# Altium PCB Stand.PcbDoc (part 3 of 3)
Units mm, origin at the board's own origin, x right, y up, seen from the top; angles counter-clockwise.
Board outline 102 x 143 mm, 2 copper layers (Top Layer, Bottom Layer), stack 1.571 mm thick; 426 components, 267 nets, 1118 pads, 182 vias.
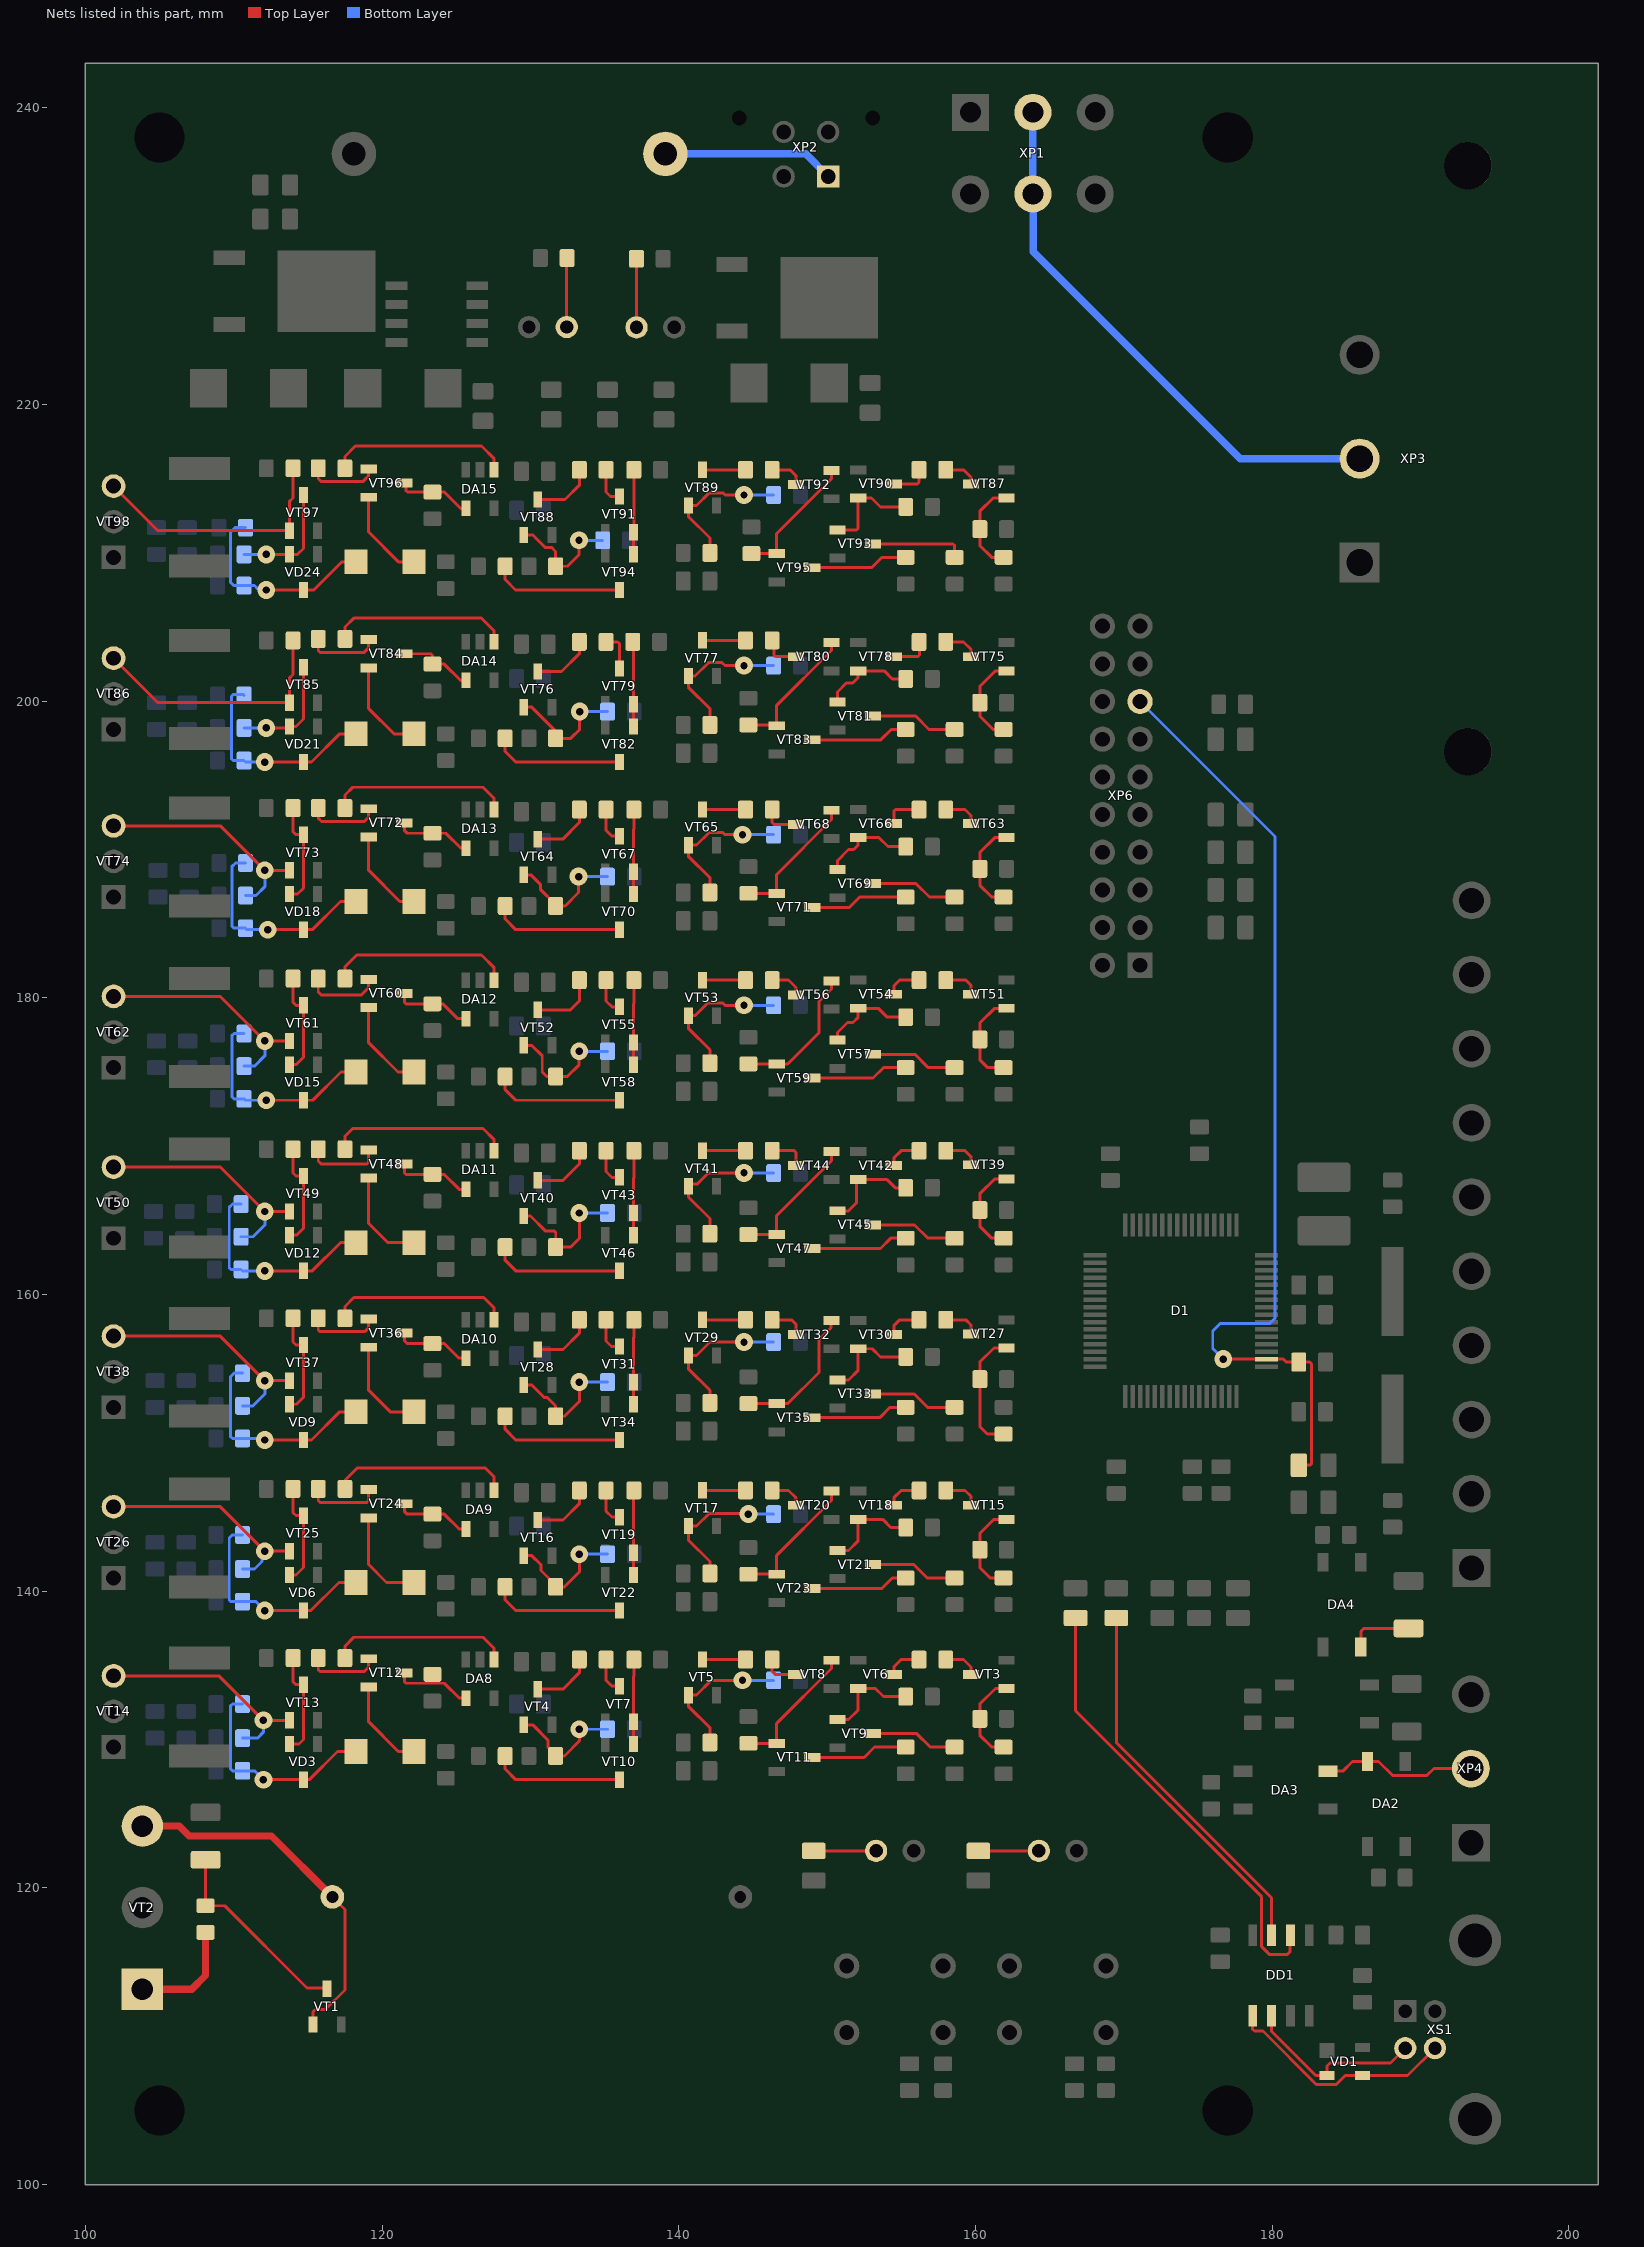
[diagram p3: the nets of this part, all layers, seen from the top]

## Via types
v1: diameter 1.2, hole 0.5, Top Layer to Bottom Layer, tented top, 93 vias
v2: diameter 1.2, hole 0.5, Top Layer to Bottom Layer, tented both sides, 89 vias

## Nets (pads, with @x,y where several pads share a name; then routed paths per layer and width w, separated by ;. In a path a pad name is that pad's centre, name@x,y a point inside that pad or via, vN(x,y) a via of type N, cw(c..) or ccw(c..) an arc to the next point about the centre after c; other vN are vias at no path point) (continued)
NetDA4_2: DA4.2 R4.2 | length 4.4
  Top Layer w0.2: DA4.2@185.97,136.24 186,136.27 186,137.3 186.2,137.5 R4.2@189.2,137.5
NetDA8_1: DA8.1 R44.1 | length 12.2
  Top Layer w0.2: R44.1@117.5,135.5 117.5,136.3 118.1,136.9 126.8,136.9 127.56,136.14 DA8.1@127.56,135.4
NetDA8_4: DA8.4 R45.2 VT12.3 | length 5.2
  Top Layer w0.2: VT12.3@121.5,134.5 121.5,133.917 121.617,133.8 123.4,133.8 124.2,133.8 125.2,132.8 DA8.4@125.65,132.8
NetDA9_1: DA9.1 R66.1 | length 12.1
  Top Layer w0.2: R66.1@117.5,146.9 117.5,147.483 118.317,148.3 126.968,148.3 127.56,147.708 DA9.1@127.56,146.8
NetDA9_4: DA9.4 R67.2 VT24.3 | length 5.1
  Top Layer w0.2: VT24.3@121.5,145.9 121.5,145.4 121.7,145.2 R67.2@123.4,145.2 124.2,145.2 125.2,144.2 DA9.4@125.65,144.2
NetDA10_1: DA10.1 R88.1 | length 12.2
  Top Layer w0.2: R88.1@117.5,158.4 117.5,159.2 118.1,159.8 126.85,159.8 127.56,159.09 DA10.1@127.56,158.3
NetDA10_4: DA10.4 R89.2 VT36.3 | length 5.1
  Top Layer w0.2: VT36.3@121.5,157.4 121.5,156.9 121.7,156.7 R89.2@123.4,156.7 124.2,156.7 125.167,155.733 DA10.4@125.65,155.733
NetDA11_1: DA11.1 R110.1 | length 12.2
  Top Layer w0.2: R110.1@117.5,169.8 117.5,170.675 118.025,171.2 126.8,171.2 127.56,170.44 DA11.1@127.56,169.7
NetDA11_4: DA11.4 R111.2 VT48.3 | length 5.2
  Top Layer w0.2: VT48.3@121.5,168.8 121.5,168.217 121.617,168.1 R111.2@123.4,168.1 124.2,168.1 125.2,167.1 DA11.4@125.65,167.1
NetDA12_1: DA12.1 R132.1 | length 12.4
  Top Layer w0.2: R132.1@117.5,181.3 117.5,182.1 118.3,182.9 126.7,182.9 127.56,182.04 DA12.1@127.56,181.2
NetDA12_4: DA12.4 R133.2 VT60.3 | length 5.2
  Top Layer w0.2: VT60.3@121.5,180.3 121.5,179.717 121.617,179.6 R133.2@123.4,179.6 124.1,179.6 125.1,178.6 DA12.4@125.65,178.6
NetDA13_1: DA13.1 R154.1 | length 12.2
  Top Layer w0.2: R154.1@117.5,192.8 117.5,193.675 118.025,194.2 126.8,194.2 127.56,193.44 DA13.1@127.56,192.7
NetDA13_4: DA13.4 R155.2 VT72.3 | length 5.1
  Top Layer w0.2: VT72.3@121.5,191.8 121.5,191.3 121.7,191.1 R155.2@123.4,191.1 124.3,191.1 125.3,190.1 DA13.4@125.65,190.1
NetDA14_1: DA14.1 R176.1 | length 12.2
  Top Layer w0.2: R176.1@117.5,204.2 117.5,205 118.1,205.6 126.7,205.6 127.56,204.74 DA14.1@127.56,204
NetDA14_4: DA14.4 R177.2 VT84.3 | length 5.2
  Top Layer w0.2: VT84.3@121.5,203.2 123.283,203.2 123.4,203.083 R177.2@123.4,202.5 124.2,202.5 125.3,201.4 DA14.4@125.65,201.4
NetDA15_1: DA15.1 R198.1 | length 12.2
  Top Layer w0.2: R198.1@117.5,215.7 117.5,216.5 118.2,217.2 126.7,217.2 127.56,216.34 DA15.1@127.56,215.6
NetDA15_4: DA15.4 R199.2 VT96.3 | length 5.1
  Top Layer w0.2: VT96.3@121.5,214.7 121.6,214.6 121.6,214.217 121.717,214.1 124.2,214.1 125.3,213 DA15.4@125.65,213
NetDD1_1: DD1.1 VD1.3 XS1.3 | length 15.7
  Top Layer w0.2: DD1.1@178.695,111.375 178.695,110.467 178.812,110.35 179.384,110.35 182.984,106.75 184.324,106.75 184.924,107.35 VD1.3@186.1,107.35 189.13,107.35 XS1.3@190.98,109.2
NetDD1_2: DD1.2 VD1.2 XS1.2 | length 12.4
  Top Layer w0.2: DD1.2@179.965,111.375 179.965,110.335 182.95,107.35 VD1.2@183.7,107.35 183.7,108 183.9,108.2 187.98,108.2 XS1.2@188.98,109.2
NetFU1_1: FU1.1 XP2.1@150.075,235.375 | length 11.6
  Bottom Layer w0.5: FU1.1@139.1,236.9 148.55,236.9 XP2.1@150.075,235.375
NetHL1_1: HL1.1 R10.2 | length 4.7
  Top Layer w0.2: HL1.1@132.45,225.225 132.45,229.85 R10.2@132.475,229.875
NetHL2_1: HL2.1 R11.2 | length 4.6
  Top Layer w0.2: R11.2@137.15,229.825 137.155,229.82 HL2.1@137.155,225.2
NetHL3_1: HL3.1 R24.2 | length 4.2
  Top Layer w0.2: R24.2@149.1,122.5 HL3.1@153.305,122.5
NetHL4_1: HL4.1 R27.2 | length 4.1
  Top Layer w0.2: R27.2@160.2,122.5 HL4.1@164.28,122.5
NetR7_1: R7.1 R8.1 VT1.3 | length 13.6
  Top Layer w0.2: R7.1@108.1,121.9 R8.1@108.1,118.8 109.4,118.8 114.95,113.25 116.25,113.25 VT1.3@116.3,113.2
NetR8_2: R8.2 VT2.1 | length 7.5
  Top Layer w0.5: VT2.1@103.85,113.175 107.175,113.175 108.1,114.1 R8.2@108.1,117
NetR9_2: R9.2 VT1.1 VT2.3 | length 25
  Top Layer w0.2: VT1.1@115.35,110.8 115.35,111.65 115.5,111.8 116.174,111.8 117.5,113.126 117.5,118.55 R9.2@116.65,119.4
  Top Layer w0.5: VT2.3@103.85,124.175 106.325,124.175 107,123.5 112.55,123.5 R9.2@116.65,119.4
NetR28_2: R28.2 R31.2 VT3.1 | length 6.3
  Top Layer w0.2: R31.2@161.9,129.5 161.1,129.5 160.3,130.3 R28.2@160.3,131.4 160.3,132.3 160.3,132.4 161.35,133.45 VT3.1@162.1,133.45
NetR29_2: R29.2 R32.2 VT4.1 | length 8.1
  Top Layer w0.2: VT4.1@129.55,131 130.151,131 131.177,129.974 131.177,129.517 131.7,128.994 R32.2@131.7,128.9 132.3,128.9 133.3,129.9 v1(133.3,130.7)
  Bottom Layer w0.2: v1(133.3,130.7) R29.2@135.2,130.7
NetR30_2: R30.2 R33.2 VT5.1 | length 10
  Top Layer w0.2: R33.2@142.1,129.8 142.1,130.8 140.65,132.25 VT5.1@140.65,133 141.2,133 142.2,134 v1(144.3,134)
  Bottom Layer w0.2: v1(144.3,134) R30.2@146.4,134
NetR34_1: R34.1 VT3.3 | length 2.4
  Top Layer w0.2: R34.1@158,135.4 159.2,135.4 159.7,134.9 VT3.3@159.7,134.4
NetR34_2: R34.2 VT6.3 | length 2.4
  Top Layer w0.2: VT6.3@154.5,134.4 154.5,134.9 155,135.4 R34.2@156.2,135.4
NetR35_1: R35.1 VT4.3 | length 4.2
  Top Layer w0.2: VT4.3@130.5,133.4 132.2,133.4 133.3,134.5 R35.1@133.3,135.4
NetR35_2: R35.2 VT7.3 | length 2.5
  Top Layer w0.2: R35.2@135.1,135.4 135.1,134 135.5,133.6 VT7.3@136,133.6
NetR36_1: R36.1 VT5.3 | length 2.9
  Top Layer w0.2: VT5.3@141.6,135.4 R36.1@144.5,135.4
NetR36_2: R36.2 VT8.3 | length 2.5
  Top Layer w0.2: R36.2@146.3,135.4 146.3,134.6 146.5,134.4 VT8.3@147.9,134.4
NetR37_2: R37.2 VT6.2 VT9.1 | length 6.5
  Top Layer w0.2: VT9.1@150.7,131.35 151.45,131.35 152.1,132 VT6.2@152.1,133.45 153.25,133.45 153.8,132.9 R37.2@155.3,132.9
NetR38_2: R38.2 VT7.2 VT10.1 | length 5.7
  Top Layer w0.2: VT10.1@136.95,129.7 VT7.2@136.95,131.2 136.95,134.25 136.975,134.275 R38.2@136.975,135.4
NetR39_2: R39.2 VT8.2 VT11.1 | length 9
  Top Layer w0.2: R39.2@144.7,129.75 VT11.1@146.6,129.75 146.6,131.1 150.3,134.8 VT8.2@150.3,135.35
NetR40_1: R40.1 VT9.3 | length 5.9
  Top Layer w0.2: VT9.3@153.1,130.4 156.05,130.4 156.95,129.5 R40.1@158.6,129.5
NetR41_1: R41.1 VT10.3 | length 8.9
  Top Layer w0.2: R41.1@128.3,128.9 128.3,128.015 129.015,127.3 VT10.3@136,127.3
NetR42_1: R42.1 VT11.3 | length 6.6
  Top Layer w0.2: VT11.3@149,128.8 152.5,128.8 153.2,129.5 R42.1@155.3,129.5
NetR44_2: R44.2 VT12.1 | length 4.9
  Top Layer w0.2: R44.2@115.7,135.5 115.7,134.717 115.817,134.6 118.8,134.6 119.1,134.9 VT12.1@119.1,135.45
NetR46_1: R46.1 R47.2 VD2.1 VD3.3 | length 14.6
  Top Layer w0.2: v1(112,127.3) VD3.3@114.7,127.3 115.1,127.3 117,129.2 VD2.1@118.235,129.2
  Bottom Layer w0.2: R47.2@110.6,132.4 109.917,132.4 109.8,132.283 109.8,128.017 109.917,127.9 R46.1@110.6,127.9 111.4,127.9 v1(112,127.3)
NetR48_1: R48.1 VD3.2 VT13.3 | length 7.2
  Top Layer w0.2: VD3.2@113.75,129.7 114.4,129.7 114.7,130 VT13.3@114.7,133.7 114.2,133.7 114,133.9 R48.1@114,135.5
NetR49_1: R49.1 VT13.1 VT14.3 | length 15.5
  Top Layer w0.2: VT14.3@101.9,134.3 109,134.3 v1(112,131.3) VT13.1@113.75,131.3
  Bottom Layer w0.2: R49.1@110.6,130.1 111.6,130.1 112,130.5 v1(112,131.3)
NetR50_2: R50.2 R53.2 VT15.1 | length 6.4
  Top Layer w0.2: R53.2@161.9,140.9 161,140.9 160.3,141.6 R50.2@160.3,142.8 160.3,143.7 160.3,143.9 161.25,144.85 VT15.1@162.1,144.85
NetR51_2: R51.2 R54.2 VT16.1 | length 8.4
  Top Layer w0.2: VT16.1@129.55,142.4 130.1,142.4 130.708,141.792 130.708,141.392 131.7,140.4 R54.2@131.7,140.3 132.3,140.3 133.3,141.3 v1(133.3,142.5)
  Bottom Layer w0.2: v1(133.3,142.5) R51.2@135.2,142.5
NetR52_2: R52.2 R55.2 VT17.1 | length 9.9
  Top Layer w0.2: R55.2@142.1,141.2 142.1,142 140.65,143.45 VT17.1@140.65,144.4 141.2,144.4 142.05,145.25 v1@144.7,145.25
  Bottom Layer w0.2: v1(144.7,145.2) R52.2@146.4,145.2
NetR56_1: R56.1 VT15.3 | length 2.5
  Top Layer w0.2: R56.1@158,146.8 159.3,146.8 159.7,146.4 VT15.3@159.7,145.8
NetR56_2: R56.2 VT18.3 | length 2.4
  Top Layer w0.2: VT18.3@154.5,145.8 154.5,146.3 155,146.8 R56.2@156.2,146.8
NetR57_1: R57.1 VT16.3 | length 4.2
  Top Layer w0.2: VT16.3@130.5,144.8 132.2,144.8 133.3,145.9 R57.1@133.3,146.8
NetR57_2: R57.2 VT19.3 | length 2.5
  Top Layer w0.2: R57.2@135.1,146.8 135.1,145.4 135.5,145 VT19.3@136,145
NetR58_1: R58.1 VT17.3 | length 2.9
  Top Layer w0.2: VT17.3@141.6,146.8 R58.1@144.5,146.8
NetR58_2: R58.2 VT20.3 | length 2.3
  Top Layer w0.2: R58.2@146.3,146.8 147,146.8 147.4,146.8 147.9,146.3 VT20.3@147.9,145.8
NetR59_2: R59.2 VT18.2 VT21.1 | length 6.5
  Top Layer w0.2: VT21.1@150.7,142.75 151.45,142.75 152.1,143.4 VT18.2@152.1,144.85 153.75,144.85 154.3,144.3 R59.2@155.3,144.3
NetR60_2: R60.2 VT19.2 VT22.1 | length 5.7
  Top Layer w0.2: VT22.1@136.95,141.1 136.95,146.775 R60.2@136.975,146.8
NetR61_2: R61.2 VT20.2 VT23.1 | length 9
  Top Layer w0.2: R61.2@144.7,141.15 VT23.1@146.6,141.15 146.6,142.424 150.3,146.124 VT20.2@150.3,146.75
NetR62_1: R62.1 VT21.3 | length 5.9
  Top Layer w0.2: VT21.3@153.1,141.8 155.851,141.8 156.751,140.9 R62.1@158.6,140.9
NetR63_1: R63.1 VT22.3 | length 8.9
  Top Layer w0.2: R63.1@128.3,140.3 128.3,139.415 129.015,138.7 VT22.3@136,138.7
NetR64_1: R64.1 VT23.3 | length 6.6
  Top Layer w0.2: VT23.3@149,140.2 153.7,140.2 154.4,140.9 R64.1@155.3,140.9
NetR66_2: R66.2 VT24.1 | length 5
  Top Layer w0.2: R66.2@115.7,146.9 115.7,146.117 115.817,146 118.983,146 119.1,146.117 VT24.1@119.1,146.85
NetR68_1: R68.1 R69.2 VD5.1 VD6.3 | length 14.8
  Top Layer w0.2: v1(112.1,138.7) VD6.3@114.7,138.7 115.2,138.7 117.1,140.6 VD5.1@118.235,140.6
  Bottom Layer w0.2: R69.2@110.6,143.8 109.9,143.8 109.7,143.6 109.7,139.417 109.817,139.3 111.5,139.3 v1(112.1,138.7)
NetR70_1: R70.1 VD6.2 VT25.3 | length 7
  Top Layer w0.2: VD6.2@113.75,141.1 114.2,141.1 114.7,141.6 VT25.3@114.7,145.1 114.2,145.1 114,145.3 R70.1@114,146.9
NetR71_1: R71.1 VT25.1 VT26.3 | length 15.4
  Top Layer w0.2: VT26.3@101.9,145.7 109.1,145.7 v1(112.1,142.7) VT25.1@113.75,142.7
  Bottom Layer w0.2: R71.1@110.6,141.5 111.4,141.5 111.909,142.009 111.909,142.509 v1(112.1,142.7)
NetR72_2: R72.2 R75.2 VT27.1 | length 8.4
  Top Layer w0.2: R72.2@161.9,150.6 160.8,150.6 160.3,151.1 R75.2@160.3,154.3 160.3,155.45 161.25,156.4 VT27.1@162.1,156.4
NetR73_2: R73.2 R76.2 VT28.1 | length 8.6
  Top Layer w0.2: VT28.1@129.55,153.9 130.1,153.9 130.95,153.05 131.15,153.05 131.7,152.5 R76.2@131.7,151.8 132.3,151.8 133.3,152.8 v1(133.3,154.1)
  Bottom Layer w0.2: v1(133.3,154.1) R73.2@135.2,154.1
NetR74_2: R74.2 R77.2 VT29.1 | length 9.9
  Top Layer w0.2: R77.2@142.1,152.7 142.1,153.55 140.65,155 VT29.1@140.65,155.9 141.2,155.9 142.1,156.8 v1(144.4,156.8)
  Bottom Layer w0.2: v1(144.4,156.8) R74.2@146.4,156.8
NetR78_1: R78.1 VT27.3 | length 2.4
  Top Layer w0.2: R78.1@158,158.3 159.35,158.3 159.7,157.95 VT27.3@159.7,157.35
NetR78_2: R78.2 VT30.3 | length 2.5
  Top Layer w0.2: VT30.3@154.5,157.3 154.5,157.9 154.9,158.3 R78.2@156.2,158.3
NetR79_1: R79.1 VT28.3 | length 4.2
  Top Layer w0.2: VT28.3@130.5,156.3 132.2,156.3 133.3,157.4 R79.1@133.3,158.3
NetR79_2: R79.2 VT31.3 | length 2.5
  Top Layer w0.2: R79.2@135.1,158.3 135.1,156.866 135.466,156.5 VT31.3@136,156.5
NetR80_1: R80.1 VT29.3 | length 2.9
  Top Layer w0.2: VT29.3@141.6,158.3 R80.1@144.5,158.3
NetR80_2: R80.2 VT32.3 | length 2.4
  Top Layer w0.2: R80.2@146.3,158.3 147.6,158.3 147.9,158 VT32.3@147.9,157.3
NetR81_2: R81.2 VT30.2 VT33.1 | length 6.5
  Top Layer w0.2: VT33.1@150.7,154.25 151.45,154.25 152.1,154.9 VT30.2@152.1,156.35 153.05,156.35 153.6,155.8 R81.2@155.3,155.8
NetR82_2: R82.2 VT31.2 VT34.1 | length 5.7
  Top Layer w0.2: VT34.1@136.95,152.6 VT31.2@136.95,154.1 136.95,157.1 137,157.15 137,158.275 R82.2@136.975,158.3
NetR83_2: R83.2 VT32.2 VT35.1 | length 9.5
  Top Layer w0.2: R83.2@144.7,152.65 VT35.1@146.6,152.65 147.35,152.65 149.45,154.75 149.45,156.95 150.267,157.767 150.267,158.217 VT32.2@150.3,158.25
NetR84_1: R84.1 VT33.3 | length 5.9
  Top Layer w0.2: VT33.3@153.1,153.3 155.875,153.3 156.775,152.4 R84.1@158.6,152.4
NetR85_1: R85.1 VT34.3 | length 8.9
  Top Layer w0.2: R85.1@128.3,151.8 128.3,150.915 129.015,150.2 VT34.3@136,150.2
NetR86_1: R86.1 VT35.3 | length 6.6
  Top Layer w0.2: VT35.3@149,151.7 153.55,151.7 154.25,152.4 R86.1@155.3,152.4
NetR88_2: R88.2 VT36.1 | length 4.9
  Top Layer w0.2: R88.2@115.7,158.4 115.7,157.617 115.817,157.5 118.833,157.5 119.1,157.767 VT36.1@119.1,158.35
NetR90_1: R90.1 R91.2 VD8.1 VD9.3 | length 14.3
  Top Layer w0.2: v1(112.1,150.2) 115.25,150.2 117.15,152.1 VD8.1@118.235,152.1
  Bottom Layer w0.2: R91.2@110.6,154.7 110.017,154.7 109.8,154.483 109.8,150.417 109.917,150.3 112,150.3 v1(112.1,150.2)
NetR92_1: R92.1 VD9.2 VT37.3 | length 7.1
  Top Layer w0.2: VD9.2@113.75,152.608 114.233,152.608 114.7,153.075 VT37.3@114.7,156.6 114.2,156.6 114,156.8 R92.1@114,158.4
NetR93_1: R93.1 VT37.1 VT38.3 | length 15.8
  Top Layer w0.2: VT38.3@101.9,157.2 109.1,157.2 v1(112.1,154.2) VT37.1@113.75,154.2
  Bottom Layer w0.2: R93.1@110.6,152.5 111.3,152.5 112.1,153.3 v1(112.1,154.2)
NetR94_2: R94.2 R97.2 VT39.1 | length 6.3
  Top Layer w0.2: R97.2@161.9,163.8 161.1,163.8 160.3,164.6 160.3,164.8 R94.2@160.3,165.7 160.3,166.8 161.3,167.8 VT39.1@162.1,167.8
NetR95_2: R95.2 R98.2 VT40.1 | length 9.1
  Top Layer w0.2: VT40.1@129.55,165.3 130,165.3 131,164.3 131.593,164.3 131.71,164.183 131.71,163.21 R98.2@131.7,163.2 132.727,163.2 133.3,163.773 v1(133.3,165.5)
  Bottom Layer w0.2: v1(133.3,165.5) R95.2@135.2,165.5
NetR96_2: R96.2 R99.2 VT41.1 | length 9.9
  Top Layer w0.2: R99.2@142.1,164.1 142.1,165.129 140.662,166.567 140.662,167.288 VT41.1@140.65,167.3 140.818,167.468 141.264,167.468 141.996,168.2 v1(144.4,168.2)
  Bottom Layer w0.2: v1(144.4,168.2) R96.2@146.4,168.2
NetR100_1: R100.1 VT39.3 | length 2.4
  Top Layer w0.2: R100.1@158,169.7 158.9,169.7 159.3,169.7 159.7,169.3 VT39.3@159.7,168.75
NetR100_2: R100.2 VT42.3 | length 2.4
  Top Layer w0.2: VT42.3@154.5,168.7 154.5,169.2 155,169.7 R100.2@156.2,169.7
NetR101_1: R101.1 VT40.3 | length 4.2
  Top Layer w0.2: VT40.3@130.5,167.7 132.2,167.7 133.3,168.8 R101.1@133.3,169.7
NetR101_2: R101.2 VT43.3 | length 2.5
  Top Layer w0.2: R101.2@135.1,169.7 135.1,168.3 135.5,167.9 VT43.3@136,167.9
NetR102_1: R102.1 VT41.3 | length 2.9
  Top Layer w0.2: VT41.3@141.6,169.7 R102.1@144.5,169.7
NetR102_2: R102.2 VT44.3 | length 2.5
  Top Layer w0.2: R102.2@146.3,169.7 147.1,169.7 147.783,169.7 147.9,169.583 VT44.3@147.9,168.7
NetR103_2: R103.2 VT42.2 VT45.1 | length 6.5
  Top Layer w0.2: VT45.1@150.7,165.65 151.45,165.65 152,166.2 152,167.65 VT42.2@152.1,167.75 154.05,167.75 154.6,167.2 R103.2@155.3,167.2
NetR104_2: R104.2 VT43.2 VT46.1 | length 5.7
  Top Layer w0.2: VT46.1@136.95,164 136.95,167.85 136.975,167.875 R104.2@136.975,169.7
NetR105_2: R105.2 VT44.2 VT47.1 | length 9
  Top Layer w0.2: R105.2@144.7,164.05 VT47.1@146.6,164.05 146.6,165.324 150.3,169.024 VT44.2@150.3,169.65
NetR106_1: R106.1 VT45.3 | length 5.9
  Top Layer w0.2: VT45.3@153.1,164.7 155.9,164.7 156.8,163.8 R106.1@158.6,163.8
NetR107_1: R107.1 VT46.3 | length 8.9
  Top Layer w0.2: R107.1@128.3,163.2 128.3,162.315 129.015,161.6 VT46.3@136,161.6
NetR108_1: R108.1 VT47.3 | length 6.6
  Top Layer w0.2: VT47.3@149,163.1 153.6,163.1 154.3,163.8 R108.1@155.3,163.8
NetR110_2: R110.2 VT48.1 | length 5.2
  Top Layer w0.2: R110.2@115.7,169.8 115.7,169 115.9,168.8 118.983,168.8 119.1,168.917 VT48.1@119.1,169.75
NetR112_1: R112.1 R113.2 VD11.1 VD12.3 | length 14.4
  Top Layer w0.2: v1(112.1,161.6) VD12.3@114.7,161.6 115.3,161.6 117.2,163.5 VD11.1@118.235,163.5
  Bottom Layer w0.2: R113.2@110.5,166.1 109.917,166.1 109.7,165.883 109.7,161.817 109.817,161.7 R112.1@110.5,161.7 110.6,161.6 v1(112.1,161.6)
NetR114_1: R114.1 VD12.2 VT49.3 | length 7.1
  Top Layer w0.2: VD12.2@113.75,164 113.752,164.002 114.233,164.002 114.7,164.469 VT49.3@114.7,168 114.2,168 114,168.2 R114.1@114,169.8
NetR115_1: R115.1 VT49.1 VT50.3 | length 15.9
  Top Layer w0.2: VT50.3@101.9,168.6 109.1,168.6 v1(112.1,165.6) VT49.1@113.75,165.6
  Bottom Layer w0.2: R115.1@110.5,163.9 111.3,163.9 112.1,164.7 v1(112.1,165.6)
NetR116_2: R116.2 R119.2 VT51.1 | length 6.5
  Top Layer w0.2: R119.2@161.9,175.3 160.825,175.3 160.3,175.825 R116.2@160.3,177.2 160.3,178.3 161.3,179.3 VT51.1@162.1,179.3
NetR117_2: R117.2 R120.2 VT52.1 | length 8.4
  Top Layer w0.2: VT52.1@129.55,176.8 130.1,176.8 130.8,176.1 130.8,175 131.1,174.7 R120.2@131.7,174.7 132.492,174.7 133.292,175.5 133.292,176.392 v1(133.3,176.4)
  Bottom Layer w0.2: v1(133.3,176.4) R117.2@135.2,176.4
NetR118_2: R118.2 R121.2 VT53.1 | length 10
  Top Layer w0.2: R121.2@142.1,175.6 142.1,176.5 140.65,177.95 VT53.1@140.65,178.8 141.1,178.8 141.95,179.65 142.974,179.65 143.124,179.5 v1(144.4,179.5)
  Bottom Layer w0.2: v1(144.4,179.5) R118.2@146.4,179.5
NetR122_1: R122.1 VT51.3 | length 2.4
  Top Layer w0.2: R122.1@158,181.2 158.825,181.2 159.35,181.2 159.7,180.85 VT51.3@159.7,180.25
NetR122_2: R122.2 VT54.3 | length 2.4
  Top Layer w0.2: VT54.3@154.5,180.25 154.5,180.8 154.9,181.2 R122.2@156.2,181.2
NetR123_1: R123.1 VT52.3 | length 4.4
  Top Layer w0.2: VT52.3@130.5,179.2 132.7,179.2 133.3,179.8 R123.1@133.3,181.2
NetR123_2: R123.2 VT55.3 | length 2.5
  Top Layer w0.2: R123.2@135.1,181.2 135.1,179.8 135.5,179.4 VT55.3@136,179.4
NetR124_1: R124.1 VT53.3 | length 2.9
  Top Layer w0.2: VT53.3@141.6,181.2 R124.1@144.5,181.2
NetR124_2: R124.2 VT56.3 | length 2.3
  Top Layer w0.2: R124.2@146.3,181.2 147.4,181.2 147.9,180.7 VT56.3@147.9,180.2
NetR125_2: R125.2 VT54.2 VT57.1 | length 6.4
  Top Layer w0.2: VT57.1@150.7,177.15 150.7,177.675 151.375,178.35 151.75,178.35 152.1,178.7 VT54.2@152.1,179.3 153.45,179.3 154.05,178.7 R125.2@155.3,178.7
NetR126_2: R126.2 VT55.2 VT58.1 | length 5.7
  Top Layer w0.2: VT58.1@136.95,175.5 VT55.2@136.95,177 136.95,179.6 136.975,179.625 R126.2@136.975,181.2
NetR127_2: R127.2 VT56.2 VT59.1 | length 9.5
  Top Layer w0.2: R127.2@144.7,175.55 147.348,175.55 149.45,177.652 149.45,179.75 150.3,180.6 VT56.2@150.3,181.15
NetR128_1: R128.1 VT57.3 | length 5.9
  Top Layer w0.2: VT57.3@153.1,176.2 155.925,176.2 156.825,175.3 R128.1@158.6,175.3
NetR129_1: R129.1 VT58.3 | length 8.9
  Top Layer w0.2: R129.1@128.3,174.7 128.3,173.815 129.015,173.1 VT58.3@136,173.1
NetR130_1: R130.1 VT59.3 | length 6.6
  Top Layer w0.2: VT59.3@149,174.6 153.1,174.6 153.8,175.3 R130.1@155.3,175.3
NetR132_2: R132.2 VT60.1 | length 5.1
  Top Layer w0.2: R132.2@115.7,181.3 115.7,180.4 115.9,180.2 118.6,180.2 119.1,180.7 VT60.1@119.1,181.25
NetR134_1: R134.1 R135.2 VD14.1 VD15.3 | length 14.2
  Top Layer w0.2: v1(112.2,173.1) 112.3,173.1 VD15.3@114.7,173.1 115.325,173.1 117.225,175 VD14.1@118.235,175
  Bottom Layer w0.2: R135.2@110.7,177.6 110.017,177.6 109.9,177.483 109.9,173.317 110.017,173.2 R134.1@110.7,173.2 110.8,173.1 v1(112.2,173.1)
NetR136_1: R136.1 VD15.2 VT61.3 | length 7
  Top Layer w0.2: VD15.2@113.75,175.5 114.2,175.5 114.7,176 VT61.3@114.7,179.5 114.2,179.5 114,179.7 R136.1@114,181.3
NetR137_1: R137.1 VT61.1 VT62.3 | length 15.8
  Top Layer w0.2: VT62.3@101.9,180.1 109.1,180.1 v1(112.1,177.1) VT61.1@113.75,177.1
  Bottom Layer w0.2: R137.1@110.7,175.4 111.4,175.4 112.1,176.1 v1(112.1,177.1)
NetR138_2: R138.2 R141.2 VT63.1 | length 6.3
  Top Layer w0.2: R141.2@161.9,186.8 161.1,186.8 160.3,187.6 R138.2@160.3,188.7 160.3,189.8 161.3,190.8 VT63.1@162.1,190.8
NetR139_2: R139.2 R142.2 VT64.1 | length 8.2
  Top Layer w0.2: VT64.1@129.55,188.3 130.025,188.3 130.67,187.655 130.67,187.33 131.7,186.3 R142.2@131.7,186.2 131.705,186.195 132.345,186.195 133.25,187.1 v1(133.25,188.175)
  Bottom Layer w0.2: v1(133.25,188.175) R139.2@135.2,188.175
NetR140_2: R140.2 R143.2 VT65.1 | length 10
  Top Layer w0.2: R143.2@142.1,187.1 142.1,188.1 140.65,189.55 VT65.1@140.65,190.3 141.2,190.3 142.05,191.15 142.974,191.15 143.124,191 v1(144.3,191)
  Bottom Layer w0.2: v1(144.3,191) 144.4,191 144.417,191.017 144.583,191.017 144.6,191 R140.2@146.4,191
NetR144_1: R144.1 VT63.3 | length 2.4
  Top Layer w0.2: R144.1@158,192.7 159.3,192.7 159.7,192.3 VT63.3@159.7,191.75
NetR144_2: R144.2 VT66.3 | length 2.6
  Top Layer w0.2: VT66.3@154.5,191.75 154.5,192.583 154.617,192.7 R144.2@156.2,192.7
NetR145_1: R145.1 VT64.3 | length 4.1
  Top Layer w0.2: VT64.3@130.5,190.7 132.183,190.7 133.3,191.817 R145.1@133.3,192.7
NetR145_2: R145.2 VT67.3 | length 2.5
  Top Layer w0.2: R145.2@135.1,192.7 135.1,191.3 135.5,190.9 VT67.3@136,190.9
NetR146_1: R146.1 VT65.3 | length 2.9
  Top Layer w0.2: VT65.3@141.6,192.7 R146.1@144.5,192.7
NetR146_2: R146.2 VT68.3 | length 2.5
  Top Layer w0.2: R146.2@146.3,192.7 146.3,191.825 146.425,191.7 VT68.3@147.9,191.7
NetR147_2: R147.2 VT66.2 VT69.1 | length 6.4
  Top Layer w0.2: VT69.1@150.7,188.65 150.7,189.25 151.45,190 151.797,190 152.1,190.303 VT66.2@152.1,190.8 153.5,190.8 154.1,190.2 R147.2@155.3,190.2
NetR148_2: R148.2 VT67.2 VT70.1 | length 5.7
  Top Layer w0.2: VT70.1@136.95,187 VT67.2@136.95,188.5 136.95,191.35 136.975,191.375 R148.2@136.975,192.7
NetR149_2: R149.2 VT68.2 VT71.1 | length 9
  Top Layer w0.2: R149.2@144.7,187.05 VT71.1@146.6,187.05 146.6,188.324 150.3,192.024 VT68.2@150.3,192.65
NetR150_1: R150.1 VT69.3 | length 5.9
  Top Layer w0.2: VT69.3@153.1,187.7 156,187.7 156.9,186.8 R150.1@158.6,186.8
NetR151_1: R151.1 VT70.3 | length 8.9
  Top Layer w0.2: R151.1@128.3,186.2 128.3,185.315 129.015,184.6 VT70.3@136,184.6
NetR152_1: R152.1 VT71.3 | length 6.6
  Top Layer w0.2: VT71.3@149,186.1 151.5,186.1 152.2,186.8 R152.1@155.3,186.8
NetR154_2: R154.2 VT72.1 | length 4.8
  Top Layer w0.2: R154.2@115.7,192.8 115.7,192.117 115.917,191.9 118.8,191.9 119.1,192.2 VT72.1@119.1,192.75
NetR156_1: R156.1 R157.2 VD17.1 VD18.3 | length 14.3
  Top Layer w0.2: v1(112.3,184.6) VD18.3@114.7,184.6 115.3,184.6 117.2,186.5 VD17.1@118.235,186.5
  Bottom Layer w0.2: R157.2@110.8,189.1 110.117,189.1 109.9,188.883 109.9,184.817 110.017,184.7 R156.1@110.8,184.7 110.9,184.6 v1(112.3,184.6)
NetR158_1: R158.1 VD18.2 VT73.3 | length 7.1
  Top Layer w0.2: VD18.2@113.75,187 114.3,187 114.7,187.4 VT73.3@114.7,191 114.2,191 114,191.2 R158.1@114,192.8
NetR159_1: R159.1 VT73.1 VT74.3 | length 15.7
  Top Layer w0.2: VT74.3@101.9,191.6 109.1,191.6 v1(112.1,188.6) VT73.1@113.75,188.6
  Bottom Layer w0.2: R159.1@110.8,186.9 111.5,186.9 112.1,187.5 v1(112.1,188.6)
NetR160_2: R160.2 R163.2 VT75.1 | length 6.2
  Top Layer w0.2: R163.2@161.9,198.1 161.2,198.1 160.3,199 160.3,199.1 R160.2@160.3,199.9 160.3,201 161.35,202.05 VT75.1@162.1,202.05
NetR161_2: R161.2 R164.2 VT76.1 | length 8.3
  Top Layer w0.2: VT76.1@129.55,199.6 130.092,199.6 131.71,197.982 131.71,197.51 R164.2@131.7,197.5 132.727,197.5 133.325,198.098 v1(133.325,199.3)
  Bottom Layer w0.2: v1(133.325,199.3) R161.2@135.2,199.3
NetR162_2: R162.2 R165.2 VT77.1 | length 10.1
  Top Layer w0.2: R165.2@142.1,198.4 142.1,199.5 140.65,200.95 VT77.1@140.65,201.7 141.1,201.7 142,202.6 142.924,202.6 143.124,202.4 v1(144.4,202.4)
  Bottom Layer w0.2: v1(144.4,202.4) R162.2@146.4,202.4
NetR166_1: R166.1 VT75.3 | length 2.4
  Top Layer w0.2: R166.1@158,204 159.2,204 159.7,203.5 VT75.3@159.7,203
NetR166_2: R166.2 VT78.3 | length 2.7
  Top Layer w0.2: VT78.3@154.5,203 156.108,203 156.225,203.117 156.225,203.975 R166.2@156.2,204
NetR167_1: R167.1 VT76.3 | length 4.1
  Top Layer w0.2: VT76.3@130.5,202 132.1,202 133.3,203.2 R167.1@133.3,204
NetR167_2: R167.2 VT79.3 | length 2.6
  Top Layer w0.2: R167.2@135.1,204 135.883,204 136,203.883 VT79.3@136,202.2
NetR168_1: R168.1 VT77.3 | length 2.9
  Top Layer w0.2: VT77.3@141.6,204.1 R168.1@144.5,204.1
NetR168_2: R168.2 VT80.3 | length 2.6
  Top Layer w0.2: R168.2@146.3,204.1 146.425,203.975 146.425,203.117 146.542,203 VT80.3@147.9,203
NetR169_2: R169.2 VT78.2 VT81.1 | length 6.4
  Top Layer w0.2: VT81.1@150.7,199.95 150.7,200.625 151.3,201.225 151.725,201.225 152.1,201.6 VT78.2@152.1,202.05 153.85,202.05 154.4,201.5 R169.2@155.3,201.5
NetR170_2: R170.2 VT79.2 VT82.1 | length 5.7
  Top Layer w0.2: R170.2@136.9,204 136.95,203.95 VT82.1@136.95,198.3
NetR171_2: R171.2 VT80.2 VT83.1 | length 9.1
  Top Layer w0.2: R171.2@144.7,198.4 146.55,198.4 VT83.1@146.6,198.35 146.6,199.725 150.3,203.425 VT80.2@150.3,203.95
NetR172_1: R172.1 VT81.3 | length 5.9
  Top Layer w0.2: VT81.3@153.1,199 155.975,199 156.875,198.1 R172.1@158.6,198.1
NetR173_1: R173.1 VT82.3 | length 8.9
  Top Layer w0.2: R173.1@128.3,197.5 128.3,196.615 129.015,195.9 VT82.3@136,195.9
NetR174_1: R174.1 VT83.3 | length 6.6
  Top Layer w0.2: VT83.3@149,197.4 153.625,197.4 154.325,198.1 R174.1@155.3,198.1
NetR176_2: R176.2 VT84.1 | length 4.9
  Top Layer w0.2: R176.2@115.7,204.2 115.7,203.417 115.817,203.3 118.8,203.3 119.1,203.6 VT84.1@119.1,204.15
NetR178_1: R178.1 R179.2 VD20.1 VD21.3 | length 14.4
  Top Layer w0.2: v1(112.1,195.9) 115.25,195.9 117.15,197.8 VD20.1@118.235,197.8
  Bottom Layer w0.2: R179.2@110.7,200.4 110.65,200.45 109.967,200.45 109.85,200.333 109.85,196.117 109.967,196 R178.1@110.7,196 110.8,195.9 v1(112.1,195.9)
NetR180_1: R180.1 VD21.2 VT85.3 | length 7.7
  Top Layer w0.2: v1(112.2,198.2) 113.65,198.2 VD21.2@113.75,198.3 114.2,198.3 114.7,198.8 VT85.3@114.7,202.3
  Bottom Layer w0.2: R180.1@110.7,198.2 v1(112.2,198.2)
NetR181_1: R181.1 VT85.1 VT86.3 | length 17.4
  Top Layer w0.2: VT86.3@101.9,202.9 104.9,199.9 VT85.1@113.75,199.9 113.75,201.55 114,201.8 R181.1@114,204.1
NetR182_2: R182.2 R185.2 VT87.1 | length 6.4
  Top Layer w0.2: R185.2@161.9,209.7 161.1,209.7 160.3,210.5 R182.2@160.3,211.6 160.3,212.8 161.2,213.7 VT87.1@162.1,213.7
NetR183_2: R183.2 R186.2 VT88.1 | length 8.1
  Top Layer w0.2: VT88.1@129.55,211.2 130.176,211.2 130.4,210.976 131.026,210.35 131.45,210.35 131.7,210.1 131.7,209.214 R186.2@131.7,209.1 132.5,209.1 133.275,209.875 v1(133.275,210.85)
  Bottom Layer w0.2: v1(133.275,210.85) R183.2@134.875,210.85
NetR184_2: R184.2 R187.2 VT89.1 | length 10
  Top Layer w0.2: R187.2@142.1,210 142.1,211 140.65,212.45 VT89.1@140.65,213.2 141.2,213.2 142.05,214.05 142.974,214.05 143.124,213.9 v1(144.4,213.9)
  Bottom Layer w0.2: v1(144.4,213.9) R184.2@146.4,213.9
NetR188_1: R188.1 VT87.3 | length 2.4
  Top Layer w0.2: R188.1@158,215.6 159.2,215.6 159.7,215.1 VT87.3@159.7,214.65
NetR188_2: R188.2 VT90.3 | length 2.6
  Top Layer w0.2: VT90.3@154.5,214.65 156.083,214.65 156.2,214.767 R188.2@156.2,215.6
NetR189_1: R189.1 VT88.3 | length 4.2
  Top Layer w0.2: VT88.3@130.5,213.6 132.34,213.6 133.3,214.56 R189.1@133.3,215.6
NetR189_2: R189.2 VT91.3 | length 2.5
  Top Layer w0.2: R189.2@135.1,215.6 135.1,214.1 135.4,213.8 VT91.3@136,213.8
NetR190_1: R190.1 VT89.3 | length 2.9
  Top Layer w0.2: VT89.3@141.6,215.6 R190.1@144.5,215.6
NetR190_2: R190.2 VT92.3 | length 2.4
  Top Layer w0.2: R190.2@146.3,215.6 147.5,215.6 147.9,215.2 VT92.3@147.9,214.6
NetR191_2: R191.2 VT90.2 VT93.1 | length 6.9
  Top Layer w0.2: VT93.1@150.7,211.55 151.983,211.55 152.1,211.667 152.1,213.2 VT90.2@152.1,213.7 153,213.7 153.6,213.1 R191.2@155.3,213.1
NetR192_2: R192.2 VT91.2 VT94.1 | length 5.7
  Top Layer w0.2: VT94.1@136.95,209.9 VT91.2@136.95,211.4 136.975,211.425 R192.2@136.975,215.6
NetR193_2: R193.2 VT92.2 VT95.1 | length 8.8
  Top Layer w0.2: R193.2@144.9,209.95 VT95.1@146.6,209.95 146.6,211.3 150.3,215 VT92.2@150.3,215.55
NetR194_1: R194.1 VT93.3 | length 6.3
  Top Layer w0.2: VT93.3@153.1,210.6 158.483,210.6 158.6,210.483 R194.1@158.6,209.7
NetR195_1: R195.1 VT94.3 | length 8.9
  Top Layer w0.2: R195.1@128.3,209.1 128.3,208.2 129,207.5 VT94.3@136,207.5
NetR196_1: R196.1 VT95.3 | length 6.6
  Top Layer w0.2: VT95.3@149,209 153,209 153.7,209.7 R196.1@155.3,209.7
NetR198_2: R198.2 VT96.1 | length 4.8
  Top Layer w0.2: R198.2@115.7,215.7 115.7,215.017 115.917,214.8 118.7,214.8 119.1,215.2 VT96.1@119.1,215.65
NetR200_1: R200.1 R201.2 VD23.1 VD24.3 | length 14
  Top Layer w0.2: v1@112.4,207.5 VD24.3@114.7,207.5 115.4,207.5 117.3,209.4 VD23.1@118.235,209.4
  Bottom Layer w0.2: R201.2@110.8,211.7 110.1,211.7 109.8,211.4 109.8,208 110,207.8 R200.1@110.7,207.8 111.4,207.8 111.617,207.583 112.317,207.583 v1@112.4,207.5
  other v1: 112.2,207.5
NetR202_1: R202.1 VD24.2 VT97.3 | length 7.8
  Top Layer w0.2: v1(112.2,209.9) VD24.2@113.75,209.9 114.3,209.9 114.7,210.3 VT97.3@114.7,213.9
  Bottom Layer w0.2: R202.1@110.7,209.9 v1(112.2,209.9)
NetR203_1: R203.1 VT97.1 VT98.3 | length 17.4
  Top Layer w0.2: VT98.3@101.9,214.5 104.9,211.5 VT97.1@113.75,211.5 113.75,213.45 114,213.7 R203.1@114,215.7
NetVD2_2: VD2.2 VT12.2 | length 6.2
  Top Layer w0.2: VT12.2@119.1,133.55 119.1,131.2 121.1,129.2 VD2.2@122.165,129.2
NetVD5_2: VD5.2 VT24.2 | length 6.7
  Top Layer w0.2: VT24.2@119.1,144.95 119.1,141.8 120.3,140.6 VD5.2@122.165,140.6
NetVD8_2: VD8.2 VT36.2 | length 6.6
  Top Layer w0.2: VT36.2@119.1,156.45 119.1,153.55 120.55,152.1 VD8.2@122.165,152.1
NetVD11_2: VD11.2 VT48.2 | length 6.7
  Top Layer w0.2: VT48.2@119.1,167.85 119.1,164.8 120.4,163.5 VD11.2@122.165,163.5
NetVD14_2: VD14.2 VT60.2 | length 6.3
  Top Layer w0.2: VT60.2@119.1,179.35 119.1,176.975 121.075,175 VD14.2@122.165,175
NetVD17_2: VD17.2 VT72.2 | length 6.2
  Top Layer w0.2: VT72.2@119.1,190.85 119.1,188.6 121.2,186.5 VD17.2@122.165,186.5
NetVD20_2: VD20.2 VT84.2 | length 6.5
  Top Layer w0.2: VT84.2@119.1,202.25 119.1,199.5 120.8,197.8 VD20.2@122.165,197.8
NetVD23_2: VD23.2 VT96.2 | length 6.2
  Top Layer w0.2: VT96.2@119.1,213.75 119.1,211.4 121.1,209.4 VD23.2@122.165,209.4
nRST: C19.2 D1.18 R17.1 XP6.15 | length 65.8
  Top Layer w0.2: v1(176.712,155.65) D1.18@179.625,155.65 180.75,155.65 180.95,155.45 C19.2@181.8,155.45 182.533,155.45 182.65,155.333 182.65,148.592 182.558,148.5 R17.1@181.8,148.5
  Bottom Layer w0.2: XP6.15@171.1,199.98 180.2,190.88 180.2,158.4 179.85,158.05 176.501,158.05 176,157.549 176,156.362 v1(176.712,155.65)
P-: DA2.4 DA3.2 XP4.2 | length 10.5
  Top Layer w0.2: DA3.2@183.76,127.87 184.77,127.87 185.425,128.525 DA2.4@186.43,128.525 187.175,128.525 188.11,127.59 190.447,127.59 190.907,128.05 XP4.2@193.4,128.05
PE: XP1.2 XP1.5 XP3.2 | length 37.2
  Bottom Layer w0.5: XP1.5@163.875,234.2 XP1.2@163.875,239.7 ; XP1.5@163.9,234.2 163.9,230.3 177.85,216.35 XP3.2@185.9,216.35
U2Rx: DD1.6 R25.2 | length 30.7
  Top Layer w0.2: R25.2@166.75,138.2 166.75,131.95 179.3,119.4 179.3,116.041 179.841,115.5 181,115.5 181.2,115.7 181.2,116.79 DD1.6@181.235,116.825
U2Tx: DD1.7 R26.2 | length 25.7
  Top Layer w0.2: R26.2@169.5,138.2 169.5,129.8 179.965,119.335 DD1.7@179.965,116.825
pads on no net: C58.1 D1.9 D1.10 D1.14 D1.29 D1.37 DA7.1 DA7.3 DA7.5 DA7.7 DA7.8 DD1.4 XP2.0 XP2.1@144.075,239.325 XP2.3 XP2.4 XP3. XP4.1 XP6.2 XP6.11 XP6.17 XP6.19
copper on no net: | length 0.1
  Top Layer w0.05: 0.1,0 0.1,0.1

## Polygon pours and split planes (outlines as drawn)
GND on Top Layer "GND_TOP" (solid, remove dead copper, pour order 0): 116.343,232.5 146.5,232.5 154.2,224.6 202,176.8 202,100 116.25,100
GND on Bottom Layer "GND_BOTTOM" (solid, remove dead copper, pour order 1): 116.3,232.6 145.5,232.6 154.175,223.325 202,175.5 202,100 116.3,100

## Keep-outs
Keep-Out Layer:
  circle w0.1: c177,238 r5
  circle w0.1: c105,238 r5
  circle w0.1: c177,105 r5
  circle w0.1: c105,105 r5

## Silkscreen, mask and mechanical layers (free items; w line width, h text height)
Top Overlay:
  lines w0.2: 137.65,101.225 137.65,111.225 147.65,111.225 147.65,101.225 137.65,101.225
  text "XP3:" at 183.8,186.6 h2
  text "35V" at 183.8,185.101 h2
  text "35V" at 183.8,183.603 h2
  text "G7" at 183.8,182.104 h2
  text "..." at 183.8,181.499 h2
  text "G0" at 183.8,180 h2
  text "XP4:" at 183.8,177.2 h2
  text "G0" at 183.8,175.701 h2
  text "P-" at 183.8,174.203 h2
  text "NC" at 183.8,172.704 h2
  text "ВАЛЯ" at 181.925,131.825 h1.83
  text "СНАБ.46822.001" at 112.475,107.35 h3
  text "Зав.№ ________" at 112.475,104.523 h3
  text "Дата изг. ________" at 112.475,101.498 h3
Bottom Overlay:
  lines w0.2: 137.65,101.225 147.65,101.225 147.65,111.225 137.65,111.225 137.65,101.225
  text "СНАБ.758725.001" at 135.175,107.4 h3
  text "Зав.№ ________" at 135.175,104.523 h3
  text "Дата изг. ________" at 135.175,101.498 h3
Board:
  the board outline again, w0.2
Top Assembly:
  lines w0.1: 103,105 107,105 ; 103,238 107,238 ; 105,103 105,107 ; 105,236 105,240 ; 175,105 179,105 ; 175,238 179,238 ; 177,103 177,107 ; 177,236 177,240 ; 191.2,196.5 195.2,196.5 ; 191.3,236 195.3,236 ; 193.2,194.5 193.2,198.5 ; 193.3,234 193.3,238

## Text inside footprints (layer, text, board x,y; h text height)
R9: Mechanical 12 "140.02.0208.00.00" at 132.651,116.9 h0.8 r180